# KiCad board DG Nova CPU Tester.kicad_pcb (continued)
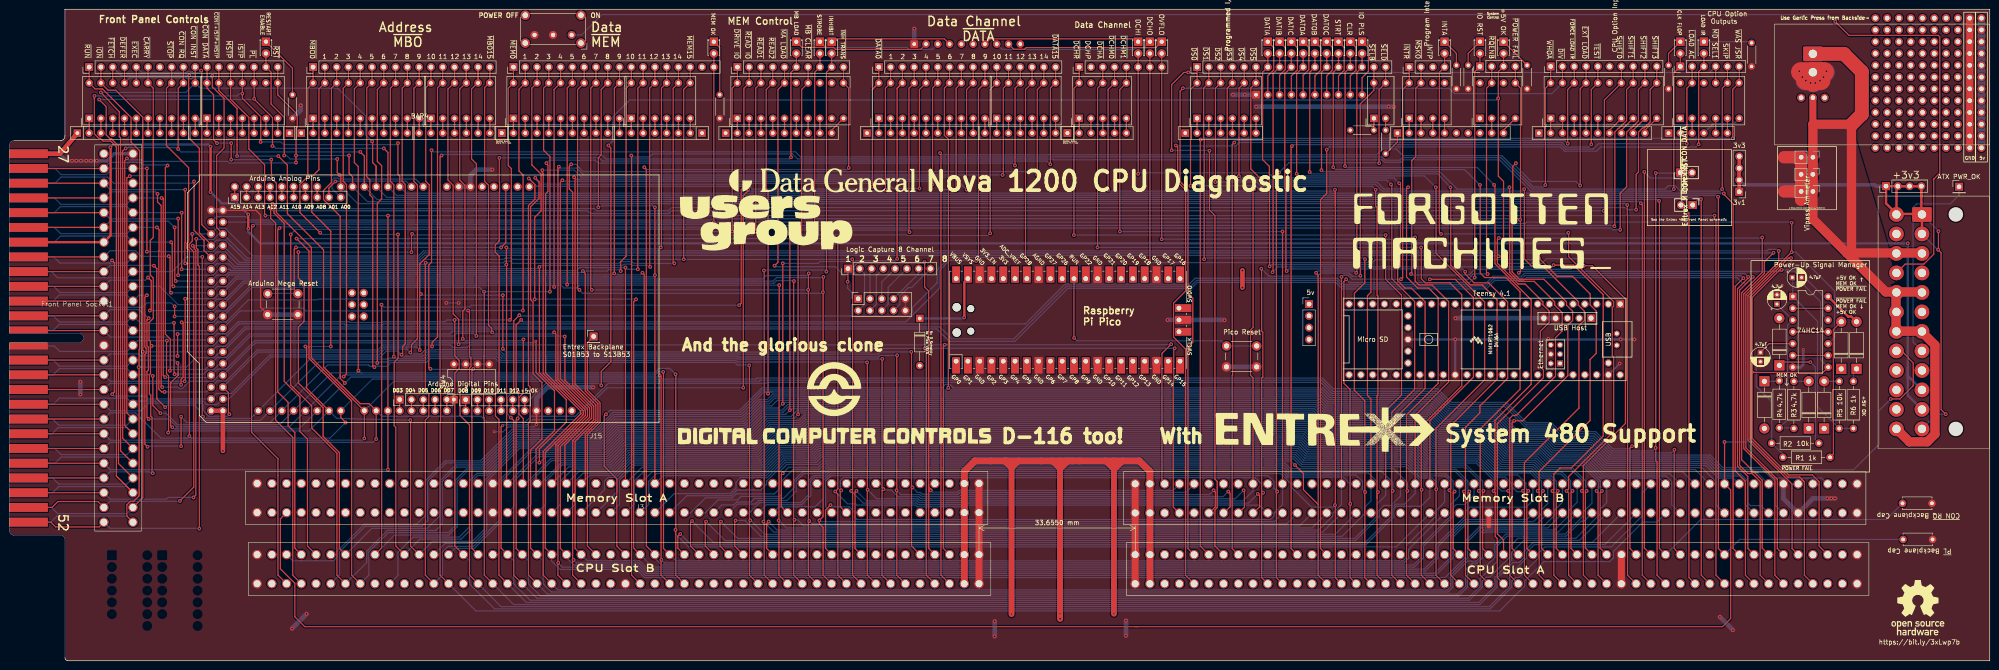
[diagram p0: board, top side]
## Routing (per net, layer and track width the routed paths; a pad name or vN(x,y) marks a point on that pad's centre or on a via; arc(x,y) is an arc through that point) (continued)
+12V Lamp: length 491
  Top w0.25: Front Panel Socket1.33 21.15,90.17
  Top w0.5: v1(51.5,96.14) v1(51.5,93.09) ; v1(43.37,110.74) v1(43.37,100.97) ; 4.15,90.17 Front Panel Socket1.33 21.84,91.62 21.84,110.56 v1(21.78,110.62) 21.84,110.67
  Bottom w0.5: 409.12,61.47 409.12,57.19 J4.11 ; 409.12,61.47 409.12,63.12 ; 409.12,61.47 409.12,60.87 409.65,60.87 J4.10 409.12,61.39 409.12,63.12 ; 409.12,63.12 409.12,88.98 409.13,88.98 v1(409.13,89.92) 54.04,89.92 52.33,91.63 ; v1(51.5,96.14) 49.12,98.52 45.81,98.52 v1(43.37,100.97) ; v1(43.37,110.74) 42.9,111.21 22.38,111.21 v1(21.78,110.62) ; 52.33,91.63 51.75,92.2 ; 52.33,91.63 51.5,92.46 v1(51.5,93.09)
-5V: length 439.3
  Top w0.25: 242.61,7.34 243.27,7.34 ; 242.61,7.34 369.21,7.34 370.96,9.09 370.96,36.78 J16.81 ; 242.61,7.34 63.66,7.34 61.53,9.47 61.53,16.69 58.43,19.79 58.43,30.59 J15.6 ; J4.20 407,66.42 408.12,66.42 409.26,65.28 409.26,65.17 410.3,64.14 410.3,59.23 407.45,56.39 v1(405.45,56.39) ; v1(369.63,47.12) 369.63,38.02
  Bottom w0.25: v1(405.45,56.39) 402.91,53.85 402.91,46.61 397.45,41.15 381.57,41.15 375.6,47.12 v1(369.63,47.12) 369.51,47.12
GND: length 416.7
  Top w0.25: 55.69,74.62 54.15,76.16 54.15,96.03 53.15,97.03 46.04,97.03 ; 386.15,104.76 JP1.2
  Top w0.3: v2(113.6,50.91) 113.6,53.85
  Top w1: 318.83,31.75 318.83,29.03
  Top w1.5: 208.98,38.1 J3.1 J3.2 ; J2.100 J2.99 242.63,38.02 ; 422.47,110.49 422.47,138.43 ; J2.34 J2.33
  Top w2.65: JP4.2 386.15,104.76 ; JP4.2 382.46,101.09 ; JP4.2 386.15,99.32 386.14,99.31
  Top w2.66: 382.46,108.46 JP5.2 386.14,104.78 JP1.2
  Top w4.2: 388.72,124.65 388.72,126.84 391.1,126.84 ; 388.46,126.82 386.08,126.82 ; 388.72,126.58 387.19,125.04 ; 390.37,125.03 388.84,126.57
  Bottom w0.2: 311.67,73.78 v1(311.67,73.78)
  Bottom w0.25: SW4.8 SW4.5 ; 195.01,136.27 195.01,136.15 v1(195.01,136.14) 195.01,136.14 ; v2(113.6,50.91) 113.05,50.36 107.47,50.36 106.44,49.33 ; v1(94.17,77.09) v1(96.84,77.09) ; 249.63,73.42 v1(249.62,73.41) 249.61,73.42 249.5,73.42 249.49,73.41 ; 193.1,75.44 J19.9 ; 60.95,6.96 v1(60.95,6.93) ; v1(125.79,58.93) 125.92,58.93
  Bottom w0.3: v2(104.49,49.33) 106.44,49.33
  Bottom w0.4: Teensy 4.1.47 v1(347.03,64.01)
  Bottom w0.5: v1(311.6,69.22) 331.54,69.22 v1(331.66,69.34) 331.79,69.22 v1(350.24,69.22) ; v1(311.6,69.22) Teensy 4.1.34 ; v1(311.6,69.22) Teensy 4.1.52
  Bottom w0.6: v2(386.59,67.06) 386.59,63.81 386.01,63.22 U1.7
  Bottom w0.7: J5.1 10.86,109.22 12.41,107.67 13.5,107.67 v1(13.53,107.7) 13.55,107.67 14.39,107.67 v1(14.42,107.7) 14.44,107.67 15.41,107.67 v1(15.43,107.7) 15.46,107.67 16.55,107.67 v1(16.57,107.7) 16.6,107.67 17.56,107.67 v1(17.59,107.7) 17.62,107.67 18.84,107.67 v1(18.86,107.7) 18.89,107.67 21.06,107.67 22.61,109.22 Front Panel Socket1.1
  Bottom w1: 385.55,31.81 388.72,34.99 388.74,34.98 v1(391.81,34.98) v1(392.62,34.98) v1(393.43,34.98) 393.49,34.98 ; v1(125.79,58.93) 116.02,58.93 113.6,56.52 113.6,53.85 ; 261.83,73.42 U2.42 249.63,73.42 ; SW1.1 SW1.1 ; R7.1 62.8,118.62 v1(62.8,119.63) ; v1(240.65,8.64) v1(240.65,5.38) ; 311.67,73.78 Teensy 4.1.59 Teensy 4.1.58 ; RN14.1 v1(266.26,121.92) v1(263.72,121.92) 263.59,121.92 ; RN11.1 195.01,136.14 ; v1(368.64,9.42) 371.44,6.63 ; v1(15.3,60.07) v1(15.3,57.4) ; v1(298.34,119.36) v1(297.24,119.36) v1(268.69,119.36) ; 382.33,38.02 382.33,34.92 385.51,31.75 ; v1(64.07,10.08) 60.95,6.96 ; v1(212.36,8.51) v1(212.36,5.26) ; 96.84,102.11 99.38,102.11 99.38,104.52 100.65,105.79 v1(104.08,105.79) ; SW3.1 SW3.1 ; 43.5,97.03 46.04,97.03
  Bottom w4.2: 388.94,126.75 391.32,126.75 ; 386.3,126.77 MES1.5 ; MES1.5 388.68,124.57 ; MES1.5 388.68,126.5 v1(390.21,124.97) ; 387.02,124.96 388.56,126.49
  vias: v1(261.89,73.36) v1(347.26,69.23) v1(371.44,6.58) v1(385.76,127) v1(386.4,125.73) v1(387.16,124.97) v1(388.18,124.46) v1(389.19,124.46) v1(390.97,125.73) v1(391.61,127)
GND After Meter: length 193.1
  Top w1.5: 388.68,115.57 388.68,121.28
  Top w2: JP1.1 388.68,100.97 388.68,108.45 JP5.1 ; 395.96,87.84 412.2,87.84 ; 395.96,87.84 397,86.8 ; 395.96,87.84 388.68,95.13 388.68,102.23 ; 406.59,79.26 406.59,70.86 ; 412.2,79.45 404.36,79.45 397,86.8 ; 388.68,106.05 388.68,115.57 397.07,115.57 399.23,117.73 ; 406.64,70.99 412.14,70.99 ; 397,86.8 397,115.51 ; J4.24 409.46,47.16 413.33,47.16 414.98,48.81 414.98,68 411.93,71.05 412.2,71.05
  Top w3: 397,115.51 399.23,117.73 399.23,126.87 395.37,130.73 MES1.4
  Bottom w0.25: 406.13,75.82 406.7,75.25
/D3: length 2.4
  Top w0.25: 84.14,53.85 J22.1
/D4: length 2.4
  Top w0.25: 86.68,53.85 J22.2
/D5: length 2.4
  Top w0.25: J22.3 89.22,53.85
/D6: length 2.4
  Top w0.25: 91.76,53.85 J22.4
/D11: length 2.4
  Top w0.25: 105.98,53.85 105.98,56.18 105.93,56.24
/D12: length 2.4
  Top w0.25: 108.47,56.24 108.52,56.18 108.52,53.85
CLK FLOP: length 352
  Top w0.25: 135.95,16.59 134.1,18.44 134.1,108.78 v1(134.05,108.84) 134.1,108.89 ; D28.2 J17.1 358.71,126.62 v1(358.71,101.6)
  Bottom w0.25: v1(358.71,101.6) 358.27,101.16 327.85,101.16 327.85,101.23 321.17,107.91 300.42,107.91 299.88,107.37 296.37,107.37 295.83,107.91 225.07,107.91 224.9,108.09 169.86,108.09 168.77,109.18 138.63,109.18 137.99,108.54 134.35,108.54 v1(134.05,108.84)
CLR: length 357.7
  Top w0.25: J2.50 320.67,17.93 320.67,26.31 320.21,26.75 320.21,36.21 v1(319.85,36.58) 320.16,36.89 320.16,51.74 327.96,59.55 327.96,77.74 320.16,85.54 320.16,102.31 v1(319.98,102.49) ; D20.2 J10.14 287.87,126.76 287.87,106.57 v1(287.85,106.55) 287.87,106.53
  Bottom w0.25: v1(287.85,106.55) 288.15,106.25 316.35,106.25 v1(319.98,102.49) 319.98,102.62 ; 129.6,31.83 131.45,33.68 131.45,38.81 134.78,42.13 162.18,42.13 165.95,45.89 172.62,45.89 173.82,47.08 278.25,47.08 279.89,45.45 302.5,45.45 305.37,42.58 316.15,42.58 320.16,38.57 320.16,36.89 v1(319.85,36.58)
DATIA: length 415.2
  Top w0.25: v1(329.63,86.74) 333.57,82.8 336.87,82.8 340.68,78.99 340.68,76.64 341.98,75.34 341.98,66.22 340.66,64.9 340.66,51.74 329.69,40.77 329.69,36.89 v1(329.38,36.58) 329.69,36.27 329.69,18.43 J2.44 ; D12.2 J10.7 270.08,126.76 270.08,107.95 271.55,106.48 v1(271.59,84.96) 271.55,85.13
  Bottom w0.25: v1(329.63,86.74) 329.29,86.4 294.37,86.4 293.29,85.31 271.94,85.31 v1(271.59,84.96) ; 120.08,31.83 121.93,33.68 121.93,38.65 123.68,40.4 130.37,40.4 133.9,43.93 161.43,43.93 165.19,47.69 171.78,47.69 172.97,48.88 278.99,48.88 280.63,47.25 303.24,47.25 306.11,44.38 316.9,44.38 320.8,40.47 327.78,40.47 329.69,38.57 329.69,36.89 v1(329.38,36.58)
DATIB: length 424.6
  Top w0.25: J2.42 332.86,18.43 332.86,36.27 v1(332.55,36.58) 332.86,36.89 332.86,40.19 334.2,41.53 336.62,41.53 343.49,48.41 343.49,78.85 337.12,85.22 v1(332.81,85.22) 332.86,85.27 ; v1(272.23,83.69) 272.35,83.82 272.35,126.49 J10.8 D16.2
  Bottom w0.25: v1(332.81,85.22) 332.45,84.86 273.39,84.86 v1(272.23,83.69) ; 116.91,31.83 118.75,33.68 118.75,38.65 121.4,41.3 129.99,41.3 133.52,44.83 161.04,44.83 164.8,48.59 171.4,48.59 172.6,49.78 279.37,49.78 281,48.15 303.62,48.15 306.49,45.28 317.27,45.28 321.18,41.37 328.16,41.37 330.21,39.32 330.24,39.34 332.08,39.34 332.86,38.57 332.86,36.89 v1(332.55,36.58)
DATIC: length 355.6
  Top w0.25: v1(275.27,83.95) 275.11,84.11 275.11,101.49 274.88,101.73 274.88,126.47 J10.9 D17.2 ; J2.54 313.81,18.43 313.81,36.14 v1(313.5,36.45) 313.81,36.76 313.81,50.29 316.92,53.4 316.92,54.88 322.9,60.86 322.9,77.28 318.77,81.41 315.66,81.41 313.75,83.31 v1(313.75,83.82)
  Bottom w0.25: v1(275.27,83.95) 275.74,84.41 313.16,84.41 v1(313.75,83.82) ; 135.95,31.83 137.81,33.68 137.81,38.65 139.48,40.33 162.94,40.33 166.71,44.09 173.37,44.09 174.56,45.28 277.5,45.28 279.14,43.65 301.75,43.65 304.62,40.78 311.6,40.78 313.88,38.5 313.88,36.83 v1(313.5,36.45)
DATOA: length 328.5
  Top w0.25: v1(277.43,104.9) 277.42,104.92 277.42,126.47 J10.10 D21.2 ; J2.58 307.46,18.43 307.46,36.89 v1(307.53,36.96) 307.46,37.03 307.46,50.04 317.95,60.52 317.95,77.27 307.46,87.76 307.46,101.93 v1(307.4,101.98)
  Bottom w0.25: 302.78,40.71 304.12,39.37 306.66,39.37 307.53,38.5 v1(307.53,36.96) ; 142.31,31.83 146.02,35.54 155.58,35.54 156.81,36.78 161.94,36.78 163.2,38.05 163.2,38.68 167.27,42.74 173.93,42.74 175.12,43.93 276.94,43.93 278.58,42.3 301.19,42.3 303.79,39.7 ; v1(307.4,101.98) 304.94,104.45 277.89,104.45 v1(277.43,104.9)
DATOB: length 336
  Top w0.25: 280.25,105.27 v1(280.23,105.28) 280.25,105.3 280.25,126.76 J10.11 D22.2 ; J2.56 310.63,18.43 310.63,36.39 v1(310.33,36.7) 310.63,37.01 310.63,50.67 320.63,60.67 320.63,66.91 320.61,66.93 320.61,77.72 317.38,80.96 314.89,80.96 310.63,85.22 310.63,101.93 v1(310.58,101.98)
  Bottom w0.25: 310.58,102.11 v1(310.58,101.98) 307.79,104.9 280.61,104.9 v1(280.23,105.28) ; 139.13,31.83 143.29,35.99 155.39,35.99 156.63,37.22 156.63,38.42 157.63,39.42 163.31,39.42 167.08,43.19 173.74,43.19 174.93,44.38 277.13,44.38 278.77,42.75 301.38,42.75 304.31,39.82 309.38,39.82 310.71,38.5 310.71,37.08 v1(310.33,36.7)
DATOC: length 376.1
  Top w0.25: D18.2 J10.12 282.79,126.76 282.79,105.68 v1(282.77,105.66) 282.79,105.65 ; v1(323.28,101.98) 323.33,101.93 323.33,83.64 325.25,81.72 328.62,81.72 333.04,77.3 333.04,76.6 334.65,74.99 334.65,71.04 333.21,69.6 333.21,61.3 324.74,52.83 323.97,52.83 323.33,52.2 323.33,36.89 v1(323.03,36.58) 323.33,36.27 323.33,18.43 J2.48
  Bottom w0.25: v1(282.77,105.66) 283.08,105.35 308.24,105.35 311.98,101.61 322.91,101.61 v1(323.28,101.98) ; 126.43,31.83 131,36.41 131,38.99 134.59,42.58 161.99,42.58 165.75,46.34 172.44,46.34 173.63,47.53 278.44,47.53 280.07,45.9 302.69,45.9 305.55,43.03 316.34,43.03 320.61,38.75 320.61,37.54 321.58,36.58 v1(323.03,36.58)
DCHI: length 320.7
  Top w0.25: 149.98,30.17 v1(150.18,29.97) 149.98,29.77 149.98,24.71 J3.37 ; D13.2 J12.6 v1(243.27,104.9) ; 299.79,38.02 299.79,53.34 305.1,58.66 305.1,77.3 302.14,80.26 300.79,80.26 299.19,81.87 299.19,84.36 299.79,84.96 299.79,102.62 v1(299.53,102.87)
  Bottom w0.25: v1(150.18,29.97) 154.26,25.89 290.11,25.89 295.21,30.98 295.21,32.38 296.27,33.45 297.75,33.45 299.79,35.48 299.79,38.02 ; v1(243.27,104.9) 243.49,105.12 271.36,105.12 272.48,104 298.4,104 v1(299.53,102.87)
DCHO: length 296.5
  Top w0.25: 156.33,30.43 v1(156.53,30.23) 156.33,30.03 156.33,24.71 J3.33 ; 293.44,38.02 293.44,56.39 292.69,57.13 292.69,78.63 293.44,79.38 v1(293.44,86.49) ; v1(245.68,86.11) 245.81,86.23 J12.7 D14.2
  Bottom w0.25: 245.81,86.11 v1(245.68,86.11) 246.15,85.76 292.71,85.76 v1(293.44,86.49) ; 293.44,38.02 293.44,34.42 292.11,33.09 292.11,31.69 287.2,26.79 162,26.79 158.56,30.23 v1(156.53,30.23)
DIP1: length 2.4
  Top w0.25: 103.44,53.85 103.44,56.18 103.39,56.24
DIP2: length 2.4
  Top w0.25: 100.85,56.24 100.9,56.18 100.9,53.85
DIP3: length 2.4
  Top w0.25: 98.36,53.85 98.36,56.18 98.31,56.24
DIP4: length 2.4
  Top w0.25: 94.3,53.85 J22.5
Entrex Backplane S01B53 to S13B53: length 50.6
  Top w0.25: TP1.1 124.58,68.51 124.58,58.29 127.31,55.57 127.31,51.37 124.58,48.64 124.58,24.71 J3.53
Entrex P10.19: length 82.9
  Top w0.25: 363.29,16.58 361.96,17.91 361.96,96.45 360.24,98.17
Entrex P10.30: length 94.4
  Top w0.25: v1(352.34,105.31) 352.36,105.28 352.36,24.25 J2.29
  Bottom w0.25: v1(352.34,105.31) 353.66,103.98 361.48,103.98 JP2.2
INHIBIT: length 256.8
  Top w0.25: D11.2 J18.9 176.1,126.76 176.1,83.84 v1(176.09,83.82) ; 162.68,84.13 v1(162.62,84.07) 162.68,84.02 162.68,30.15 v1(162.5,29.97) 162.68,29.79 162.68,18.44 J3.30
  Bottom w0.25: v1(162.62,84.07) 162.72,84.16 175.74,84.16 v1(176.09,83.82) ; 287.08,31.75 283.02,27.69 278.7,27.69 278.69,27.7 164.77,27.7 v1(162.5,29.97)
INTA: length 392.3
  Top w0.25: J2.40 336.04,18.43 336.04,36.14 v1(335.6,36.58) 336.04,37.01 336.04,39.68 345.74,49.39 345.74,65.42 345.45,65.71 345.45,76.08 345.74,76.37 345.74,77.36 336.04,87.07 336.04,92.15 v1(335.98,92.2) ; v1(308.55,91.95) 308.19,92.31 308.19,126.76 J13.4 D25.2
  Bottom w0.25: v1(308.55,91.95) 335.73,91.95 v1(335.98,92.2) ; v1(335.6,36.58) 336.04,37.01 336.04,38.57 334.36,40.25 330.55,40.25 328.53,42.27 321.55,42.27 317.64,46.18 306.86,46.18 303.99,49.05 281.38,49.05 279.74,50.68 172.22,50.68 171.03,49.49 164.43,49.49 160.67,45.73 133.14,45.73 129.6,42.2 119.13,42.2 115.58,38.65 115.58,33.68 113.73,31.83
IO PLS: length 256.3
  Top w0.25: J2.74 282.06,18.43 282.06,33.66 ; v1(281.62,83.57) 282.06,83.13 282.06,33.66 ; 167.7,31.83 166.38,33.16 166.38,40.08 v1(166.69,40.39) ; v1(290.26,83.57) 290.4,83.71 290.4,126.76 J10.15 D23.2 ; 282.06,33.66 278.88,36.83 278.88,40.33 v1(277.05,42.16)
  Bottom w0.25: v1(166.69,40.39) 167.98,41.68 174.38,41.68 175.73,43.03 276.18,43.03 v1(277.05,42.16) ; v1(290.26,83.57) 289.86,83.96 282.02,83.96 v1(281.62,83.57)
IO RST: length 282.6
  Top w0.25: J2.70 288.94,17.91 288.94,33.73 v1(288.99,33.78) 288.94,33.84 288.94,58.42 287.61,59.74 287.61,81.68 v1(288.1,82.17) ; v1(315.79,82.55) 315.81,82.57 315.81,126.89 J14.1 D26.2
  Bottom w0.25: v1(288.99,33.78) 288.94,33.84 288.94,38.04 287.41,39.57 275.35,39.57 274.13,40.78 176.77,40.78 175.41,39.42 173.51,39.42 172.73,38.65 172.73,35.58 170.75,33.61 163.13,33.61 161.35,31.83 ; v1(288.1,82.17) 288.83,81.44 314.68,81.44 v1(315.79,82.55)
LOAD IR: length 189.8
  Top w0.25: D27.2 J17.3 364.06,126.89 364.06,111.27 v1(364.05,111.25) ; J2.73 282.58,24.18 282.58,99.31 283.91,100.64 v1(283.91,110.11)
  Bottom w0.25: v1(364.05,111.25) 363.45,110.65 342.94,110.65 342.04,109.75 335.18,109.75 334.24,110.69 284.5,110.69 v1(283.91,110.11)
Logic1: length 7.5
  Top w0.25: v1(180.66,81.64) 180.74,81.71 J20.1
  Bottom w0.25: 180.66,81.66 v1(180.66,81.64) 180.66,80.26 J19.1
Logic2: length 10
  Bottom w0.25: J20.2 184.31,83.42 184.31,76.8 182.94,75.44
Logic3: length 6.6
  Bottom w0.25: J19.3 185.48,84.12 J20.3
Logic4: length 11.9
  Bottom w0.25: J20.4 186.85,82.95 186.85,76.8 185.48,75.44 186.66,76.61
Logic5: length 7.7
  Bottom w0.25: J19.5 188.03,81.58 J20.5
Logic6: length 12.9
  Bottom w0.25: 188.03,75.44 189.39,76.8 ; 189.39,76.8 189.39,78.46 ; 189.39,76.8 189.39,80.41 J20.6
Logic7: length 9.5
  Bottom w0.25: J20.7 195.98,83.39 J19.7 191.34,77.98
Logic8: length 12.7
  Bottom w0.25: 190.56,75.44 191.93,76.8 191.93,78.56 193.75,80.38 194.44,80.38 J20.8
MB LOAD: length 466.9
  Top w0.25: J3.74 92.83,18.44 92.83,51.44 92.95,51.55 92.95,58.81 92.83,58.93 92.83,108.51 v1(93.16,108.84) ; D9.2 J18.6 168.46,126.74 168.46,108.46 v1(168.47,108.46) 168.46,108.45
  Bottom w0.25: 356.94,31.75 355.04,29.86 352.02,29.86 345.69,23.53 345.69,22.16 344.89,21.35 330.74,21.35 326.51,17.13 326.51,16.03 321.2,10.73 100.54,10.73 J3.74 ; v1(168.47,108.46) 168.1,108.09 128.59,108.09 127.62,109.06 93.37,109.06 v1(93.16,108.84)
MEM OK: length 479.3
  Top w0.25: J2.9 384.19,24.18 384.17,37.08 384.17,38.06 374.68,47.55 374.68,78.61 384.08,88.01 v1(384.11,88.01) v1(384.11,94.36) 384.19,94.42 ; D8.2 J7.18 v1(151.83,94.49)
  Bottom w0.25: v1(384.11,94.36) 383.99,94.49 326.98,94.49 326.71,94.21 324.39,94.21 324.12,94.49 v1(151.83,94.49) 46.04,94.49 ; v1(384.11,88.01) 385,88.01 393.36,79.66 393.36,69.7 U1.10
OVFLO: length 328.9
  Top w0.25: v1(302.96,91.19) 302.96,81.79 303.79,80.96 306.58,80.96 310.18,77.36 310.18,60.05 302.96,52.83 302.96,38.02 ; D15.2 J12.8 v1(248.35,90.81) ; v1(147.13,30.1) 146.81,29.77 146.81,24.71 J3.39
  Bottom w0.25: v1(302.96,91.19) 302.58,90.81 v1(248.35,90.81) ; v1(147.13,30.1) 151.79,25.44 292.17,25.44 297.94,31.2 297.94,33 298.66,33.72 300.67,33.72 302.96,36.01 302.96,38.02
Power SW: length 355.9
  Top w0.25: 414.72,103.76 414.59,103.63 ; 414.72,103.76 416.02,105.06 416.02,134.4 415.7,134.72 396.46,134.72 v1(393.51,137.67) ; 414.72,103.76 414.72,87.58 412.58,85.44 408.58,85.44 J4.16
  Bottom w0.25: v1(393.51,137.67) 391.99,139.19 127.7,139.19 123.32,134.81 SW2.1
PWR_OK: length 44.5
  Bottom w0.25: TP2.1 420.18,100.33 418.28,98.43 411.04,98.43 410.27,97.66 410.27,68.64 J4.8
RESTART ENABLE: length 525.1
  Top w0.25: J2.32 348.74,18.43 348.74,96.08 348.68,96.14 v1(348.68,98.17) ; v1(25.97,104.39) 25.33,104 25.33,53.39 26.66,52.07 ; 59.27,108.82 v1(59.25,108.84) 59.27,108.86 59.27,117.08 56.41,119.93 56.41,126.79 J9.16 D7.2 ; v1(70.68,108.08) 70.68,105.16 v1(71.19,104.65) 71.44,104.39 71.44,102.11
  Bottom w0.25: 26.66,52.07 25.33,50.75 10.66,50.75 9.34,52.07 4.15,52.07 ; 71.44,102.11 75.09,98.46 348.39,98.46 v1(348.68,98.17) ; v1(25.97,104.39) 26.1,104.52 71.06,104.52 v1(71.19,104.65) ; v1(70.68,108.08) 60.52,108.08 59.75,108.84 v1(59.25,108.84)
STROBE: length 216.8
  Top w0.25: 178.56,91 v1(178.63,90.93) 178.56,90.86 178.56,37.01 v1(177.99,36.45) ; J3.20 178.56,18.44 178.56,35.89 v1(177.99,36.45) ; v1(177.99,36.45) 177.87,36.32 ; 173.56,90.95 v1(173.55,90.93) 173.56,110.24 173.56,126.76 J18.8 D10.2
  Bottom w0.25: 271.21,31.75 269.44,33.52 206.19,33.52 205.82,33.16 195.65,33.16 195.29,33.52 182.68,33.52 182.39,33.81 180.64,33.81 v1(177.99,36.45) ; v1(178.63,90.93) v1(173.55,90.93)
STRT: length 353.3
  Top w0.25: 285.32,106.28 v1(285.31,106.3) 285.32,106.32 285.32,126.76 J10.13 D19.2 ; v1(316.93,102.49) 316.99,102.43 316.99,83.51 317.95,82.55 322.51,82.55 325.57,79.5 325.57,58.49 316.99,49.91 316.99,36.89 v1(316.68,36.58) 316.99,36.27 316.99,18.43 J2.52
  Bottom w0.25: v1(316.68,36.58) 316.99,36.89 316.99,38.57 313.88,41.68 304.99,41.68 302.13,44.55 279.51,44.55 277.88,46.18 174.19,46.18 173,44.99 166.33,44.99 162.57,41.23 137.21,41.23 134.63,38.65 134.63,33.68 132.78,31.83 ; v1(285.31,106.3) 285.81,105.8 313.62,105.8 v1(316.93,102.49)
~{CARRY}: length 533.3
  Top w0.25: J9.6 29.91,124.5 BAR1.15 31.03,123.33 31.03,91.19 30.38,90.53 30.38,83.1 31.03,82.45 31.03,73.76 30.12,72.84 30.12,69.09 30.42,68.79 30.42,68.58 ; J2.15 374.66,24.18 374.66,39.68 372.43,41.91 372.43,80.13 374.71,82.41 v1(374.71,82.68) ; 30.42,68.58 30.42,68.07 v1(30.67,67.82) 30.42,67.56 30.42,66.93 ; 30.42,68.58 30.42,66.93 ; 30.42,66.93 30.42,65.91 30.43,62.99 30.43,61.87 30.2,61.64 30.2,57.49 30.48,57.21 30.48,52.71 30.76,52.43 30.76,40.55 v1(30.93,40.39) 31.03,40.5 ; Front Panel Socket1.49 4.15,39.37
  Bottom w0.25: v1(30.93,40.39) 30.47,40.39 30.16,40.7 21.71,40.7 Front Panel Socket1.49 ; v1(374.71,82.68) 373.96,83.43 326.45,83.43 325.87,82.84 319.76,82.84 317.91,80.99 287.62,80.99 286.23,82.39 255.56,82.39 254.3,81.13 227.51,81.13 218.94,72.56 80.71,72.56 80.51,72.36 72.35,72.36 72.2,72.52 72.2,72.56 49.51,72.56 46.04,69.09 45.18,69.09 43.91,67.82 v1(30.67,67.82)
~{CON DATA}: length 558.2
  Top w0.25: v1(47.82,111.51) v1(47.82,107.95) ; v1(354.81,105.07) 354.81,43.07 355.08,42.8 355.08,18.43 J2.28 ; v1(76.52,47.88) 76.52,53.85 65.09,65.28 65.09,89.03 57.55,96.57 57.55,102.87 56.53,103.89 v1(56.45,107.95) 56.53,107.9 ; Front Panel Socket1.46 J5.46 ; J9.11 BAR2.20 42.61,123.33 44.02,121.91 44.02,112.25 v1(44.77,111.51)
  Bottom w0.25: v1(76.52,47.88) 76.13,47.5 21.78,47.5 Front Panel Socket1.46 21.71,47.57 ; v1(354.78,45.85) 354.14,45.21 345.38,45.21 345.38,45.21 341.69,48.9 334.08,48.9 332.17,50.82 326.83,50.82 322.43,55.21 310.55,55.21 307.72,58.05 285.17,58.05 282.79,60.43 161.82,60.43 161.61,60.22 114.13,60.22 114.11,60.2 82.87,60.2 76.52,53.85 ; JP2.1 360.01,105.06 354.82,105.06 v1(354.81,105.07) ; v1(56.45,107.95) v1(47.82,107.95) ; v1(47.82,111.51) v1(44.77,111.51)
~{CON INST}: length 561.2
  Top w0.25: v1(19.75,122.43) 23.7,118.22 23.7,112.88 23.98,112.61 23.98,45.22 Front Panel Socket1.22 ; J9.10 BAR1.11 ; J2.22 364.61,18.43 364.61,99.39 v1(364.56,99.44) ; 79.06,102.11 79.06,104.52 ; 79.06,104.52 79.06,106.55 78.3,107.31 78.3,111.76 v1(78.17,111.89) ; 79.06,104.52 79.06,106.43
  Bottom w0.25: Front Panel Socket1.22 25.33,43.87 11.17,43.87 9.84,42.55 J5.22 ; JP3.1 364.05,99.44 v1(364.56,99.44) 364.19,99.81 81.36,99.81 79.06,102.11 ; v1(19.75,122.43) 38.04,122.43 BAR1.11 41.2,123.34 70.79,123.34 76.75,117.37 76.75,113.3 v1(78.17,111.89)
~{CON RQ}: length 579.3
  Top w0.25: Front Panel Socket1.21 24.43,47.95 24.43,109.84 v1(25.08,110.36) ; 76.52,102.11 76.52,108.71 v1(75.63,109.6) ; J9.9 BAR1.12 36.41,123.34 36.41,112.52 v1(36.39,110.24) 36.41,110.25 ; 355.61,99.13 v1(355.54,99.06) 355.61,98.99 355.61,24.18 J2.27
  Bottom w0.25: C2.2 404.5,30.43 364.51,30.43 J2.27 ; Front Panel Socket1.21 25.33,44.39 11.17,44.39 9.84,45.72 J5.21 ; v1(25.08,110.36) 25.27,110.55 36.08,110.55 v1(36.39,110.24) 37.02,109.6 v1(75.63,109.6) ; 76.52,102.11 79.27,99.36 355.24,99.36 v1(355.54,99.06)
~{CONT+ISTP+MSTP}: length 490.5
  Top w0.25: Front Panel Socket1.47 J5.47 ; J2.25 358.79,24.18 358.79,45.41 v1(358.84,45.47) 358.79,45.52 ; v1(57.98,108.71) 59.93,106.76 59.93,96.32 67.72,88.52 67.72,63.28 75.63,55.37 77.53,55.37 79.06,53.85 v1(79.06,47.75) ; v1(49.09,108.71) 49.09,118.94 45.15,122.87 BAR2.19 J9.12
  Bottom w0.25: v1(358.84,45.47) 358.13,44.76 345.16,44.76 341.53,48.39 333.96,48.39 331.98,50.37 326.64,50.37 322.28,54.73 310.4,54.73 307.53,57.6 284.93,57.6 284.93,57.66 282.61,59.98 163.26,59.98 163.05,59.77 129.09,59.77 121.98,52.66 112.46,52.66 111.23,51.43 102.89,51.43 101.66,52.66 80.25,52.66 79.06,53.85 ; v1(79.06,47.75) 78.35,47.05 21.71,47.05 Front Panel Socket1.47 ; v1(49.09,108.71) v1(57.98,108.71)
~{DATA0}: length 430.5
  Top w0.25: BAR8.20 185.99,123.06 v1(185.99,102.11) ; BAR8.20 J8.1 ; BAR8.20 185.97,123.05 ; 111.98,103.89 v1(111.95,103.89) 111.95,103.92 111.98,103.89 ; 111.98,103.89 113.27,102.6 113.27,99.43 111.88,98.04 111.88,59.31 112.25,58.94 112.25,51.68 111.88,51.31 111.88,18.44 J3.62
  Bottom w0.25: J3.62 115.97,14.35 312.13,14.35 313.81,16.03 313.81,19.55 315.28,21.02 316.34,21.02 317.45,22.13 317.45,27.29 317.88,27.72 333.86,27.72 337.88,31.75 ; v1(111.95,103.89) 111.98,103.89 113.67,102.2 159.5,102.2 160.09,101.61 185.5,101.61 v1(185.99,102.11)
~{DATA1}: length 443.9
  Top w0.25: v2(106.27,50.63) 105.98,50.34 105.98,24.26 J3.65 ; v1(159.2,101.47) 159.2,101.22 158.18,100.2 v1(158.18,58.8) ; J8.2 BAR8.19 188.81,123.34 188.81,102.23 v1(188.79,101.47) 188.81,101.49
  Bottom w0.25: 326.41,26.37 337.59,26.37 342.91,31.69 342.91,32.71 344.24,34.04 344.24,38.02 ; v1(159.2,101.47) 159.51,101.16 188.47,101.16 v1(188.79,101.47) ; v1(158.18,58.8) 128.84,58.8 121.98,51.94 112.71,51.94 111.58,50.81 106.44,50.81 v2(106.27,50.63) ; 327.47,26.37 325.14,26.37 323.33,24.57 323.33,22.3 319,17.97 318.26,17.97 317.44,17.15 317.44,15.84 314.6,13 112.27,13 108.7,16.57 108.7,21.53 J3.65
~{DATA2}: length 425.7
  Top w0.25: BAR8.18 191.34,123.34 ; BAR8.18 J8.3 ; BAR8.18 191.33,123.32 v1(191.33,86.56) ; v1(166.69,55.37) v1(166.69,85.6)
  Bottom w0.25: v1(166.69,85.6) 174.28,85.6 174.69,86 181.14,86 181.37,85.76 181.98,85.76 ; 158.56,50.68 158.94,51.06 158.76,50.87 ; 158.56,50.68 131.07,50.68 127.54,47.15 109.47,47.15 102.7,40.38 100.8,40.38 99.18,38.76 99.18,28.84 96.97,26.62 87.05,26.62 83.76,23.34 83.76,18.37 J3.82 ; 158.56,50.68 162.32,54.44 165.76,54.44 v1(166.69,55.37) 166.95,55.63 281.79,55.63 283.43,54 306.04,54 308.91,51.13 319.69,51.13 323.6,47.22 330.68,47.22 332.65,45.25 340.22,45.25 343.86,41.61 364.74,41.61 367.79,38.57 367.79,33.6 369.63,31.75 ; v1(191.33,86.56) 190.93,86.16 182.38,86.16 181.98,85.76 ; 180.36,86 180.2,86 ; 181.98,85.76 181.47,85.76
~{DATA3}: length 386.6
  Top w0.25: v1(169.74,92.46) 169.99,92.2 v1(169.99,53.09) ; v1(193.99,92.33) 193.88,92.44 193.88,123.34 BAR8.17 J8.4
  Bottom w0.25: J3.73 96,24.19 100.2,24.19 106.05,30.04 106.05,38.65 112.3,44.9 128.47,44.9 132,48.43 159.55,48.43 163.31,52.19 169.1,52.19 v1(169.99,53.09) 170.29,53.38 280.86,53.38 282.5,51.75 305.11,51.75 307.98,48.88 318.76,48.88 322.67,44.97 329.75,44.97 331.72,43 339.23,43 342.88,39.34 355.61,39.34 356.94,38.02 ; 194.12,92.33 v1(193.99,92.33) 193.99,92.46 193.68,92.77 170.05,92.77 v1(169.74,92.46)
~{DATA4}: length 443.1
  Top w0.25: v1(196.15,101.73) 196.13,101.75 196.13,123.05 BAR8.16 J8.5 ; J3.61 112.33,24.26 112.33,45.34 114.79,47.8 114.79,59.9 112.87,61.82 112.87,77.25 112.33,77.79 112.33,97.79 114.16,99.61 114.16,103.21 v1(113.35,104.01)
  Bottom w0.25: 337.88,38.02 337.88,34.15 336.04,32.3 336.04,31.2 333.01,28.17 317.69,28.17 316.99,27.47 316.99,22.3 316.16,21.47 314.27,21.47 311.08,18.28 311.08,15.84 310.05,14.81 116.82,14.81 115.06,16.57 115.06,21.53 J3.61 ; v1(196.15,101.73) 190.42,101.73 189.31,102.83 159.38,102.83 159.2,102.65 114.46,102.65 113.35,103.76 v1(113.35,104.01)
~{DATA5}: length 419.5
  Top w0.25: v1(119.19,103.5) 118.75,103.07 118.75,60.78 125.06,54.48 125.06,52.44 118.75,46.14 118.75,24.19 J3.57 ; v1(198.95,102.62) 198.97,102.63 198.97,123.38 BAR8.15 200.09,124.5 J8.6
  Bottom w0.25: v1(198.95,102.62) 198.28,103.28 119.41,103.28 v1(119.19,103.5) ; J3.57 120.08,22.22 121.69,20.6 135.49,20.6 137.27,18.82 307.16,18.82 310.63,22.3 310.63,26.75 313.85,29.97 328.49,29.97 330.21,31.69 330.21,32.51 331.54,33.84 331.54,38.02
~{DATA6}: length 431.7
  Top w0.25: v1(202.38,58.8) 202.38,112.33 201.5,113.2 201.5,123.34 BAR8.14 J8.7
  Bottom w0.25: J3.95 61.08,21.53 69.83,21.53 70.61,22.31 70.61,23.52 76.5,29.41 87.79,29.41 89.73,31.35 89.73,38.83 93.97,43.08 101.58,43.08 108.35,49.85 126.42,49.85 130.06,53.48 157.55,53.48 162.41,58.35 201.92,58.35 v1(202.38,58.8) 202.83,58.35 282.9,58.35 284.55,56.7 307.16,56.7 310.03,53.83 320.81,53.83 324.72,49.92 331.8,49.92 333.77,47.95 341.34,47.95 344.98,44.31 366.54,44.31 369.25,41.59 378.1,41.59 380.35,39.34 390.54,39.34 391.86,38.02
~{DATA7}: length 414.3
  Top w0.25: v1(121.73,104.14) 121.93,103.94 121.93,59.59 126.41,55.12 126.41,51.74 121.93,47.26 121.93,24.19 J3.55 ; v1(204.03,101.47) 204.04,101.49 204.04,123.34 BAR8.13 J8.8 ; 328.36,38.02 328.58,38.24